# Altium PCB PCB-Tester-Relay-Board.PcbDoc (part 2 of 4)
Units mm, origin at the board's own origin, x right, y up, seen from the top; angles counter-clockwise.
Board outline 165 x 129 mm, 8 copper layers (Top Layer, Inner1, Inner2, Inner3, Inner4, Inner5, Inner6, Bottom Layer), stack 1.516 mm thick; 429 components, 373 nets, 1663 pads, 713 vias.
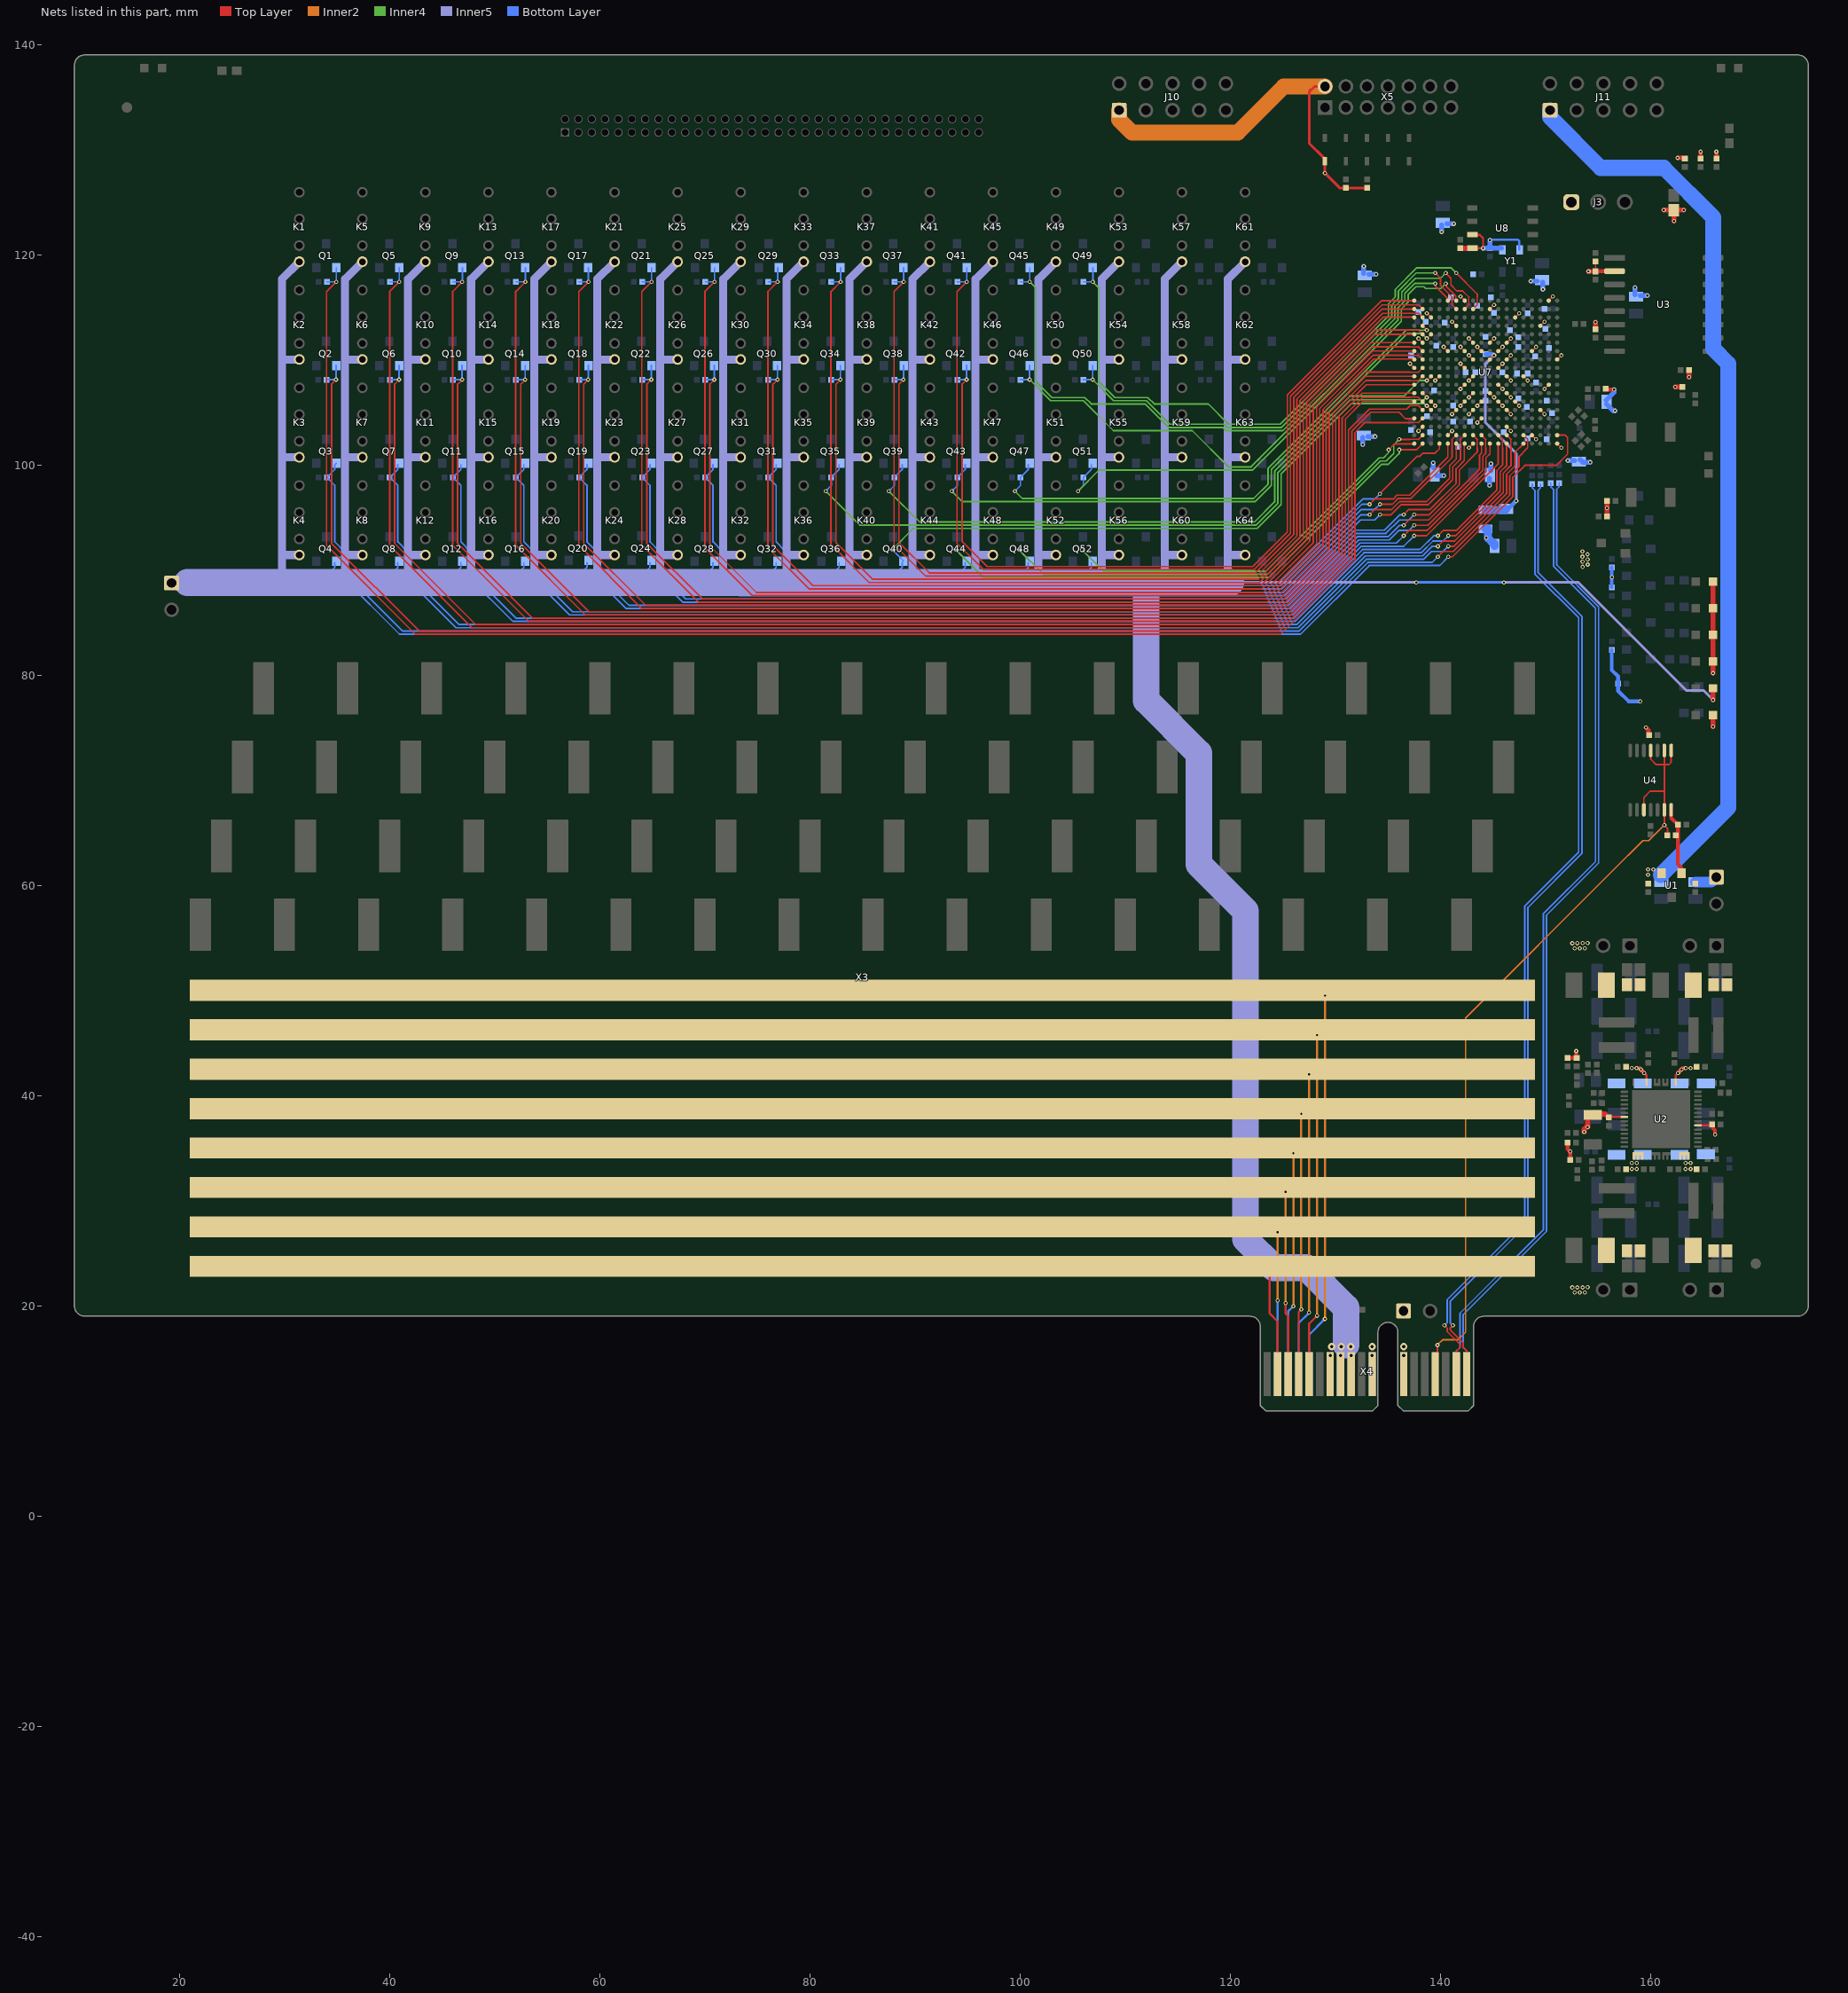
[diagram p8: the nets of this part, all layers, seen from the top]

## Part data
AOI1 AOI2 AOI3 AOI4 AOI5 AOI6: library part Fiducial, "Assembly AOI", 02. Distributor Part Number=N/A, 01. Distributor=N/A, 03. Unit Price=N/A, 04. Manufacturer=N/A, 05. Quantity=N/A, 06. Data Sheet=N/A, 07. Manufacturer  Part Number=N/A, 08. Inhouse Stock=N/A, 09. Operating Temperature=N/A, 10. Weight=N/A, 11. RoHS=N/A, 12.UL94 Flammability=N/A, 13. Created Date/Name=AUG2018/Hören, ComponentLink1Description=Info, ComponentLink2Description=Info
  AOI1 AOI2: Shape="Point Top"
  AOI3: Shape="Cross Top"
  AOI4 AOI5: Shape="Point Bottom"
  AOI6: Shape="Cross Bottom"
C1 C4 C28 C30: library part C_11, "CAP CER 2.2UF 10V X7R 0805", 02. Distributor Part Number=1276-1188-1-ND, 04. Manufacturer="Samsung Electro-Mechanics", 07. Manufacturer  Part Number=CL21B225KPFNNNE, 09. Operating Temperature="-55°C ~ 125°C", Package=0805, Tolerance=±10%, Voltage Rating=10V, 01. Distributor=DigiKey, 03. Unit Price=0.11, 11. RoHS=YES, ComponentLink1Description=Info, ComponentLink1URL=https://www.digikey.de/product-detail/en/kemet/C0805C225K8RACTU/399-3522-6-ND/1787578, ComponentLink2Description=DataSheet, ComponentLink2URL=https://content.kemet.com/datasheets/KEM_C1002_X7R_SMD.pdf, Type=X7R
C2 C3 C5 C8 C11 C18 C19 C22 C23 C32 C34 C37 C38 C43 C46 C49: "CAP CER 0.1UF 25V X7R 0402", 02. Distributor Part Number=311-2077-6-ND, 04. Manufacturer=Yageo, 07. Manufacturer  Part Number=CC0402KRX7R8BB104, 09. Operating Temperature="-55°C ~ 125°C", Package=0402, Tolerance=±10%, Voltage Rating=25V, 01. Distributor=DigiKey, 03. Unit Price=0.09, 11. RoHS=YES, 13. Created Date/Name=AUG2018/Hören, ComponentLink1Description=Info, ComponentLink1URL=https://www.digikey.de/products/en?keywords=311-2077-6-ND, ComponentLink2Description=DataSheet, Type=X7R
C6 C7 C16 C20 C21 C35 C36 C44 C45: "CAP CER 10UF 25V X7R 1206", 02. Distributor Part Number=445-7705-6-ND, 04. Manufacturer="TDK Corporation", 07. Manufacturer  Part Number=C3216X7R1E106K160AB, 09. Operating Temperature="-55°C ~ 125°C", Package=1206, Tolerance=±10%, Voltage Rating=25V, 01. Distributor=DigiKey, 03. Unit Price=0.66, 11. RoHS=YES, 13. Created Date/Name=AUG2018/Hören, ComponentLink1Description=Info, ComponentLink1URL=https://www.digikey.de/products/en?keywords=445-7705-6-ND, ComponentLink2Description=DataSheet, Type=X7R
C9 C10: "CAP CER 10UF 10V X7R 0805", 02. Distributor Part Number=1276-1764-6-ND, 04. Manufacturer="Samsung Electro-Mechanics", 07. Manufacturer  Part Number=CL21B106KPQNNNE, 09. Operating Temperature="-55°C ~ 125°C", Package=0805, Tolerance=±10%, Voltage Rating=10V, 01. Distributor=DigiKey, 03. Unit Price=0.24, 11. RoHS=YES, 13. Created Date/Name=AUG2018/Hören, ComponentLink1Description=Info, ComponentLink1URL=https://www.digikey.de/products/en?keywords=1276-1764-6-ND, ComponentLink2Description=DataSheet, Type=X7R
C12 C13 C14 C24 C25 C26 C39 C40 C41 C50 C51 C52: "CAP CER 47UF 10V X5R 1210", 02. Distributor Part Number=1276-3380-6-ND, 04. Manufacturer="Samsung Electro-Mechanics", 07. Manufacturer  Part Number=CL32A476MPJNNNE, 09. Operating Temperature="-55°C ~ 85°C", Package=1210, Tolerance=±20%, Voltage Rating=10V, 01. Distributor=DigiKey, 03. Unit Price=0.88, 11. RoHS=YES, 13. Created Date/Name=AUG2018/Hören, ComponentLink1Description=Info, ComponentLink2Description=DataSheet, Type=X5R
C15 C27 C42 C53: library part C+_TAN, "CAP TANT 47UF 20% 10V 1411", 02. Distributor Part Number=478-12531-1-ND, 04. Manufacturer="AVX Corporation", 07. Manufacturer  Part Number=F971A476MBAHT3, 01. Distributor=DigiKey, 03. Unit Price=0.73, 3D-Export=No, 11. RoHS=YES, ComponentLink1Description=Info, ComponentLink2Description=DataSheet
C17 C54 C55 C56: "CAP CER 0.1UF 25V X7R 0402", 02. Distributor Part Number=311-2077-6-ND, 04. Manufacturer=Yageo, 07. Manufacturer  Part Number=CC0402KRX7R8BB104, 09. Operating Temperature="-55°C ~ 125°C", Package=0402, Tolerance=±5%, Voltage Rating=16V, 01. Distributor=DigiKey, 03. Unit Price=0.09, 11. RoHS=YES, 13. Created Date/Name=AUG2018/Hören, ComponentLink1Description=Info, ComponentLink1URL=https://www.digikey.de/product-detail/en/kemet/C0402C104J4RACTU/399-7761-6-ND/3472292, ComponentLink2Description=DataSheet, ComponentLink2URL=https://content.kemet.com/datasheets/KEM_C1002_X7R_SMD.pdf, Type=X7R
C29 C31: library part C_7, "CAP CER 1000PF 25V X7R 0402", 02. Distributor Part Number=399-1031-6-ND, 04. Manufacturer=KEMET, 07. Manufacturer  Part Number=C0402C102K3RACTU, 09. Operating Temperature="-55°C ~ 125°C", Package=0402, Tolerance=±10%, Voltage Rating=25V, 01. Distributor=DigiKey, 03. Unit Price=0.09, 11. RoHS=YES, 13. Created Date/Name=AUG2018/Hören, ComponentLink1Description=Info, ComponentLink1URL=https://www.digikey.de/products/en?keywords=399-1031-6-ND, ComponentLink2Description=DataSheet, Type=X7R
C33: library part C_2, "CAP CER 1UF 6.3V X7R 0402", 02. Distributor Part Number=490-13339-6-ND, 04. Manufacturer="Murata Electronics", 07. Manufacturer  Part Number=GRM155R70J105KA12J, 09. Operating Temperature="-55°C ~ 125°C", Package=0402, Tolerance=±10%, Voltage Rating=6.3V, 01. Distributor=DigiKey, 03. Unit Price=0.11, 11. RoHS=YES, 13. Created Date/Name=AUG2018/Hören, ComponentLink1Description=Info, ComponentLink1URL=https://www.digikey.de/product-detail/en/murata-electronics/GRM155R70J105KA12J/490-13339-6-ND/5973468, ComponentLink2Description=DataSheet, Type=X7R
C47 C48: library part C_10, "CAP CER 0.01UF 25V X7R 0402", 02. Distributor Part Number=490-6043-6-ND, 04. Manufacturer="Murata Electronics", 07. Manufacturer  Part Number=GCM155R71E103KA37D, 09. Operating Temperature="-55°C ~ 125°C", Package=0402, Tolerance=±10%, Voltage Rating=25V, 01. Distributor=DigiKey, 03. Unit Price=0.09, 11. RoHS=YES, ComponentLink1Description=Info, ComponentLink1URL=https://www.digikey.de/product-detail/en/murata-electronics/GCM155R71E103KA37D/490-6043-6-ND/3846259, ComponentLink2Description=DataSheet, Type=X7R
C310 C316 C318 C436 C437 C444 C451 C456 C463: library part CAP, "CAP CER 47UF 10V X5R 0805", 02. Distributor Part Number=490-9961-6-ND, 04. Manufacturer="Murata Electronics North America", 07. Manufacturer  Part Number=GRM21BR61A476ME15L, 09. Operating Temperature="-55°C ~ 85°C", MFR=MURATA, MFR-PN=GRM32ER71A476KE15L, MFR-TYPE="GRM series", Tolerance=±20%, Voltage Rating=10V, 01. Distributor=DigiKey, 03. Unit Price=0.67, 3D-Export=No, 11. RoHS=YES, ComponentLink4Description=Info, ComponentLink4URL=https://www.digikey.de/product-detail/en/murata-electronics-north-america/GRM21BR61A476ME15L/490-9961-6-ND/5027050, ComponentLink5Description=DataSheet, ComponentLink5URL=https://search.murata.co.jp/Ceramy/image/img/A01X/G101/ENG/GRM21BR61A476ME15-01.pdf, Parameters="X7R, 10V, 10%", POPULATED=yes, Temperature Range="-55°C ~ 85°C", Type=X7R
C311 C312 C313 C430 C431 C438 C439 C445 C446 C452 C453 C457 C458 C464 C465 C470 C476 C477: library part CAP, "CAP CER 4.7UF 6.3V X5R 0402", 02. Distributor Part Number=1276-1481-6-ND, 04. Manufacturer="Samsung Electro-Mechanics", 07. Manufacturer  Part Number=CL05A475KQ5NRNC, 09. Operating Temperature="-55°C ~ 85°C", Temperature Range=-40°C/+85°C, Tolerance=10%, Voltage Rating=6V3, 01. Distributor=DigiKey, 03. Unit Price=0.28, 3D-Export=No, 11. RoHS=YES, ComponentLink4Description=DataSheet, ComponentLink4URL=https://media.digikey.com/pdf/Data%20Sheets/Samsung%20PDFs/CL_Series_MLCC_ds.pdf, ComponentLink5Description=Info, ComponentLink5URL=https://www.digikey.de/product-detail/en/samsung-electro-mechanics/CL05A475KQ5NRNC/1276-1481-6-ND/3891995, Parameters="X7R, 6V3, 10%", POPULATED=yes, Type=X7R
C314 C315 C317 C432 C433 C434 C435 C440 C441 C442 C443 C447 C448 C449 C450 C454 C455 C459 C460 C461 C462 C466 C467 C468 C469: library part CAP, "CAP CER 0.47UF 10V X5R 0402", 02. Distributor Part Number=1276-1173-6-ND, 04. Manufacturer="Samsung Electro-Mechanics", 07. Manufacturer  Part Number=CL05A474KP5NNNC, 09. Operating Temperature="-55°C ~ 85°C", Tolerance=10%, Voltage Rating=10V, 01. Distributor=DigiKey, 03. Unit Price=0.09, 3D-Export=No, 11. RoHS=YES, ComponentLink4Description=Info, ComponentLink4URL=https://www.digikey.de/product-detail/en/samsung-electro-mechanics/CL05A474KP5NNNC/1276-1173-6-ND/3891687, ComponentLink5Description=DataSheet, ComponentLink5URL=https://media.digikey.com/pdf/Data%20Sheets/Samsung%20PDFs/CL_Series_MLCC_ds.pdf, Parameters="X5R, 10V, 10%", POPULATED=yes, Temperature Range="-55°C ~ 85°C", Type=X5R
C471: library part CAP, "CAP CER 0.1UF 25V X7R 0402", 02. Distributor Part Number=311-2077-6-ND, 04. Manufacturer=Yageo, 07. Manufacturer  Part Number=CC0402KRX7R8BB104, 09. Operating Temperature="-55°C ~ 85°C", Temperature Range=-40°C/+85°C, Tolerance=10%, Voltage Rating=6V3, 01. Distributor=DigiKey, 03. Unit Price=0.09, 3D-Export=No, 11. RoHS=YES, ComponentLink4Description=DataSheet, ComponentLink4URL=https://media.digikey.com/pdf/Data%20Sheets/Samsung%20PDFs/CL_Series_MLCC_ds.pdf, ComponentLink5Description=Info, ComponentLink5URL=https://www.digikey.de/product-detail/en/samsung-electro-mechanics/CL05A475KQ5NRNC/1276-1481-6-ND/3891995, Parameters="X7R, 6V3, 10%", POPULATED=yes, Type=X7R
D1 D2 D3 D4 D5 D6 D12 D13 DONE: library part LED, "LED GREEN DIFFUSED 0603 SMD", 02. Distributor Part Number=475-2709-6-ND, 04. Manufacturer="OSRAM Opto Semiconductors Inc.", 07. Manufacturer  Part Number="LG L29K-G2J1-24-Z", Color=GREEN, 01. Distributor=DigiKey, 03. Unit Price=0.4, 11. RoHS=YES, 13. Created Date/Name=AUG2018/Hören, ComponentLink1Description=Info, ComponentLink1URL=https://www.digikey.de/products/en?keywords=475-2709-6-ND, ComponentLink2Description=DataSheet, ComponentLink2URL=https://www.digikey.de/products/en?keywords=475-2709-6-ND, If=2mA, Vf=1.7V, Viewing Angle=160°, Wave Length=570nm
  D3: NicName=DNM
D7 D8 D9 D10 D11: library part UCLAMP3301D.TCT, "TVS DIODE 3.3V 9.5V SOD323", 02. Distributor Part Number=UCLAMP3301DCT-ND, 04. Manufacturer="Semtech Corporation", 01. Distributor=DigiKey, 03. Unit Price=0.67, 07. Manufacturer  Part Number=UCLAMP3301D.TCT, 11. RoHS=YES, ComponentLink1Description=Info, ComponentLink1URL=https://www.digikey.de/product-detail/en/nexperia-usa-inc/PMEG4050EP115/1727-5842-6-ND/2697559, ComponentLink2Description=DataSheet, ComponentLink2URL=https://assets.nexperia.com/documents/data-sheet/PMEG4050EP.pdf
J1 J2 J4 J5 J6 J7 J8 J9 J12: library part "Jumper SMD", "RES SMD 0 OHM JUMPER 1/10W 0603", 02. Distributor Part Number=311-0.0GRDKR-ND, 04. Manufacturer=Yageo, 07. Manufacturer  Part Number=RC0603JR-070RL, 09. Operating Temperature="-55°C ~ 155°C", Package=0603, 01. Distributor=DigiKey, 03. Unit Price=0.09, 11. RoHS=YES, ComponentLink4Description=Info, ComponentLink4URL=https://www.digikey.de/product-detail/en/yageo/RC0603JR-070RL/311-0.0GRDKR-ND/732569, ComponentLink5Description=DataSheet, ComponentLink5URL=http://www.yageo.com/documents/recent/PYu-RC_Group_51_RoHS_L_10.pdf
  J1 J2 J4 J5 J6 J7 J8 J9: POPULATED=MNT
J3: library part "Header 3Pins 100mil", "CONN HEADER VERT 3POS 2.54MM", 02. Distributor Part Number=HMTSW-103-07-G-S-240, 04. Manufacturer="Samtec Inc.", 01. Distributor="Samtec Inc.", 03. Unit Price=0.25, 07. Manufacturer  Part Number=HMTSW-103-07-G-S-240, 11. RoHS=YES, 13. Created Date/Name=AUG2018/Hören, ComponentLink1Description=Info, ComponentLink1URL=https://www.samtec.com/products/hmtsw-103-07-g-s-240, ComponentLink2Description=DataSheet, ComponentLink2URL=http://suddendocs.samtec.com/catalog_english/hmtsw.pdf
J10: library part "Header 5x2Pins 100mil", 02. Distributor Part Number=HMTSW-103-07-G-S-240, 04. Manufacturer="Samtec Inc.", 01. Distributor="Samtec Inc.", 03. Unit Price=0.25, 07. Manufacturer  Part Number=HMTSW-103-07-G-S-240, 11. RoHS=YES, 13. Created Date/Name=AUG2018/Hören, ComponentLink1Description=Info, ComponentLink1URL=https://www.samtec.com/products/hmtsw-103-07-g-s-240, ComponentLink2Description=DataSheet, ComponentLink2URL=http://suddendocs.samtec.com/catalog_english/hmtsw.pdf, NicName=DNM
J11: library part "Header 5x2Pins 100mil", ".100\" High-Temp Variable Post Height Terminal Strip", 02. Distributor Part Number=HMTSW-105-07-G-D-240, 04. Manufacturer="Samtec Inc.", 01. Distributor="Samtec Inc.", 03. Unit Price=0.843, 07. Manufacturer  Part Number=HMTSW-105-07-G-D-240, 11. RoHS=YES, 13. Created Date/Name=AUG2018/Hören, ComponentLink1Description=Info, ComponentLink1URL=https://www.samtec.com/products/hmtsw-103-07-g-s-240, ComponentLink2Description=DataSheet, ComponentLink2URL=http://suddendocs.samtec.com/catalog_english/hmtsw.pdf
K1 K2 K3 K4 K5 K6 K7 K8 K9 K10 K11 K12 K13 K14 K15 K16 K17 K18 K19 K20 K21 K22 K23 K24 K25 K26 K27 K28 K29 K30 K31 K32 K33 K34 K35 K36 K37 K38 K39 K40 K41 K42 K43 K44 K45 K46 K47 K48 K49 K50 K51 K52 K53 K54 K55 K56 K57 K58 K59 K60 K61 K62 K63 K64: library part 118-1-A-5/2D, "5V Signal Relais, Normal Open", 04. Manufacturer=Pickering, 09. Operating Temperature="-20°C ~ +85°C", Coil Resistance="1500 Ohm", Coil Voltage=5V, Max Carry Current="1.2 A", Max Switch Current=1A, Max Switch Voltage=200V, Power Rating=15W, 01. Distributor=Pickering, 02. Distributor Part Number=118-1-A-5/2D, 03. Unit Price=2.60, 05. Quantity=1000, 06. Data Sheet=Pickering_series_118.pdf, 07. Manufacturer  Part Number=118-1-A-5/2D, 11. RoHS=2011/65/EU, 13. Created Date/Name="20.12.17 S. Kaiser", ComponentLink1Description=Info, ComponentLink1URL=http://www.pickeringrelay.com/, ComponentLink2Description=DataSheet, ComponentLink2URL=https://www.pickeringrelay.com/products/single-line-sil-series-111-119/single-line-sil-series-118/
L1: library part FB, "FERRITE BEAD 600 OHM 0805 1LN", 02. Distributor Part Number=732-1620-6-ND, 04. Manufacturer="Würth Elektronik", 07. Manufacturer  Part Number=742792040, 09. Operating Temperature="-55°C ~ 125°C", Impedance Tolerance=%, Package=0805, 01. Distributor=DigiKey, 03. Unit Price=0.22, 11. RoHS=YES, 13. Created Date/Name=AUG2018/Hören, ComponentLink1Description=Info, ComponentLink1URL=https://www.digikey.de/products/en?keywords=732-1620-6-ND, ComponentLink2Description=DataSheet, ComponentLink2URL=https://www.we-online.de/katalog/datasheet/742792040.pdf, DCR=150mΩ, IRMS=2A, Nominal Impedance="600Ω @ 100MHz"
L2 L3 L4 L5: library part INDUCTOR, "Fixed Inductors 3.3uH Shld 20% 6.6A 28.6mOhms AECQ2", 02. Distributor Part Number=994-XAL4030-332MEC, 04. Manufacturer=Coilcraft, 07. Manufacturer  Part Number=XAL4030-332MEC, Impedance Tolerance=%, Inductance=3u3, 01. Distributor=Mouser, 03. Unit Price=1.95, 11. RoHS=YES, ComponentLink1Description=Info, ComponentLink1URL=https://www.digikey.de/products/en?keywords=732-1620-6-ND, ComponentLink2Description=DataSheet, ComponentLink2URL=https://www.we-online.de/katalog/datasheet/742792040.pdf
PROG: library part PUSH_BTN, "Tactile Switches 5.2x5.2x1.5mm 160gf", 02. Distributor Part Number=688-SKQGAB, 04. Manufacturer=Alps, 01. Distributor=Mouser, 03. Unit Price=0.497, 07. Manufacturer  Part Number=SKQGABE010, 11. RoHS=YES, ComponentLink1Description=Info, ComponentLink2Description=DataSheet
Q1 Q2 Q3 Q4 Q5 Q6 Q7 Q8 Q9 Q10 Q11 Q12 Q13 Q14 Q15 Q16 Q17 Q18 Q19 Q20 Q21 Q22 Q23 Q24 Q25 Q26 Q27 Q28 Q29 Q30 Q31 Q32 Q33 Q34 Q35 Q36 Q37 Q38 Q39 Q40 Q41 Q42 Q43 Q44 Q45 Q46 Q47 Q48 Q49 Q50 Q51 Q52 Q53 Q54 Q55 Q56 Q57 Q58 Q59 Q60 Q61 Q62 Q63 Q64 Q65 Q66 Q67 Q68 Q69 Q70: library part FDV303N, "MOSFET N-CH 25V 680MA SOT-23", 02. Distributor Part Number=FDV303NDKR-ND, 04. Manufacturer="ON Semiconductor", 09. Operating Temperature="-55°C ~ 150°C (TJ)", Power Rating=350mW, 01. Distributor=DigiKey, 03. Unit Price=0.41, 3D-Export=No, 07. Manufacturer  Part Number=FDV303N, 11. RoHS=YES, 13. Created Date/Name="AUG 2018 / Hören", ComponentLink1Description=Info, ComponentLink1URL=https://www.digikey.de/product-detail/en/on-semiconductor/FDV303N/FDV303NDKR-ND/1630434, ComponentLink2Description=DataSheet, ComponentLink2URL=https://media.digikey.com/pdf/Data%20Sheets/Fairchild%20PDFs/FDV303N.pdf, Id=680mA, Rds On="450 mΩ @ id=500mA & Vgs=4.5V", Vdss=25V, Vgs,th="1.5V @ 250uA"
  Q67: NicName=DNM
R1 R2 R3 R4 R5 R6 R7 R8 R9 R10 R11 R12 R13 R14 R15 R16 R17 R18 R19 R20 R21 R22 R23 R24 R25 R26 R27 R28 R29 R30 R31 R32 R33 R34 R35 R36 R37 R38 R39 R40 R41 R42 R48 R49 R50 R51 R52 R53 R54 R55 R56 R57 R58 R59 R60 R61 R62 R63 R64 R65 R66 R67 R68 R69 R105 R107 R111 R112 R113 R114 R115 R122 R123 R124 R129 R130: "RES SMD 4.7K OHM 1% 1/16W 0402", 02. Distributor Part Number=311-4.7KLRDKR-ND, 04. Manufacturer=Yageo, 07. Manufacturer  Part Number=RC0402FR-074K7L, 09. Operating Temperature="-55°C ~ 155°C", Package=0402, Power Rating=63mW, Tolerance=±1%, 01. Distributor=DigiKey, 03. Unit Price=0.09, 11. RoHS=YES, 13. Created Date/Name=AUG2018/Hören, ComponentLink1Description=Info, ComponentLink1URL=https://www.digikey.de/products/en?keywords=311-4.7KLRDKR-ND, ComponentLink2Description=DataSheet, Type="Thick Film"
R43 R44 R71 R102: "RES SMD 33 OHM 1% 1/16W 0402", 02. Distributor Part Number=311-33.0LRDKR-ND, 04. Manufacturer=Yageo, 07. Manufacturer  Part Number=RC0402FR-0733RL, 09. Operating Temperature="-55°C ~ 155°C", Package=0402, Power Rating=63mW, Tolerance=±1%, 01. Distributor=DigiKey, 03. Unit Price=0.09, 11. RoHS=YES, 13. Created Date/Name=AUG2018/Hören, ComponentLink1Description=Info, ComponentLink2Description=DataSheet, Type="Thick Film"
  R43 R102: ComponentLink1URL=https://www.digikey.de/products/en?keywords=311-33.0LRDKR-ND
  R44 R71: ComponentLink1URL=https://www.digikey.de/products/en?keywords=311-10.0KLRDKR-ND
R45 R46 R47 R70 R73 R74 R75 R76 R77 R78 R79 R80 R81 R82 R83 R84 R86 R87 R88 R89 R90 R128: "RES SMD 10K OHM 1% 1/16W 0402", 02. Distributor Part Number=311-10.0KLRDKR-ND, 04. Manufacturer=Yageo, 07. Manufacturer  Part Number=RC0402FR-0710KL, 09. Operating Temperature="-55°C ~ 155°C", Package=0402, Power Rating=63mW, Tolerance=±1%, 01. Distributor=DigiKey, 03. Unit Price=0.09, 11. RoHS=YES, 13. Created Date/Name=AUG2018/Hören, ComponentLink1Description=Info, ComponentLink1URL=https://www.digikey.de/products/en?keywords=311-10.0KLRDKR-ND, ComponentLink2Description=DataSheet, Type="Thick Film"
R72: library part R_24, "RES SMD 2.2 OHM 1% 1/10W 0402", 02. Distributor Part Number=311-2.20LRTR-ND, 04. Manufacturer=Yageo, 07. Manufacturer  Part Number=RC0402FR-072R2L, Package=0402, Power Rating=0.1W, Tolerance=±1%, 01. Distributor=DigiKey, 03. Unit Price=0.09, 11. RoHS=YES, ComponentLink1Description=Info, ComponentLink1URL=https://www.digikey.de/product-detail/en/panasonic-electronic-components/ERJ-2RKF15R0X/P15.0LDKR-ND/575530, ComponentLink2Description=DataSheet, ComponentLink2URL=https://industrial.panasonic.com/cdbs/www-data/pdf/RDA0000/AOA0000C304.pdf
R85 R91: "RES SMD 1K OHM 1% 1/16W 0402", 02. Distributor Part Number=YAG1254CT-ND, 04. Manufacturer=Yageo, 07. Manufacturer  Part Number=RC0402FR-071KP, 09. Operating Temperature="-55°C ~ 155°C", Package=0402, Power Rating=63mW, Tolerance=±1%, 01. Distributor=DigiKey, 03. Unit Price=0.09, 11. RoHS=YES, 13. Created Date/Name=AUG2018/Hören, ComponentLink1Description=Info, ComponentLink1URL=https://www.digikey.de/products/en?keywords=311-10.0KLRDKR-ND, ComponentLink2Description=DataSheet, Type="Thick Film"
R92 R93 R95 R103 R104 R126: "RES SMD 1.8K OHM 1% 1/16W 0402", 02. Distributor Part Number=311-1.80KLRCT-ND, 04. Manufacturer=Yageo, 07. Manufacturer  Part Number=RC0402FR-071K8L, 09. Operating Temperature="-55°C ~ 155°C", Package=0402, Power Rating=63mW, Tolerance=±1%, 01. Distributor=DigiKey, 03. Unit Price=0.09, 11. RoHS=YES, 13. Created Date/Name=AUG2018/Hören, ComponentLink1Description=Info, ComponentLink1URL=https://www.digikey.de/product-detail/en/yageo/RC0402FR-071K65L/YAG3043DKR-ND/5282914, ComponentLink2Description=DataSheet, Type="Thick Film"
R94: "RES SMD 1.65K OHM 1% 1/16W 0402", 02. Distributor Part Number=YAG3043DKR-ND, 04. Manufacturer=Yageo, 07. Manufacturer  Part Number=RC0402FR-071K65L, 09. Operating Temperature="-55°C ~ 155°C", Package=0402, Power Rating=63mW, Tolerance=±1%, 01. Distributor=DigiKey, 03. Unit Price=0.09, 11. RoHS=YES, 13. Created Date/Name=AUG2018/Hören, ComponentLink1Description=Info, ComponentLink1URL=https://www.digikey.de/product-detail/en/yageo/RC0402FR-071K65L/YAG3043DKR-ND/5282914, ComponentLink2Description=DataSheet, Type="Thick Film"
R96 R97 R98 R99 R100 R101 R108 R116: library part R_19, "RES SMD 33 OHM 1% 1/16W 0402", 02. Distributor Part Number=311-33.0LRDKR-ND, 04. Manufacturer=Yageo, 07. Manufacturer  Part Number=RC0402FR-0733RL, 09. Operating Temperature="-55°C ~ 155°C", Package=0402, Power Rating=63mW, Tolerance=±1%, 01. Distributor=DigiKey, 03. Unit Price=0.09, 11. RoHS=YES, 13. Created Date/Name=AUG2018/Hören, ComponentLink1Description=Info, ComponentLink1URL=https://www.digikey.de/products/en?keywords=311-33.0LRDKR-ND, ComponentLink2Description=DataSheet, Type="Thick Film"
R106 R109 R110: "RES SMD 330 OHM 1% 1/16W 0402", 02. Distributor Part Number=311-330LRDKR-ND, 04. Manufacturer=Yageo, 07. Manufacturer  Part Number=RC0402FR-07330RL, 09. Operating Temperature="-55°C ~ 155°C", Package=0402, Power Rating=63mW, Tolerance=±1%, 01. Distributor=DigiKey, 03. Unit Price=0.09, 11. RoHS=YES, 13. Created Date/Name=AUG2018/Hören, ComponentLink1Description=Info, ComponentLink1URL=https://www.digikey.de/products/en?keywords=311-330LRDKR-ND, ComponentLink2Description=DataSheet, Type="Thick Film"
R117 R118 R119 R120 R127: "RES SMD 1K OHM 1% 1/16W 0402", 02. Distributor Part Number=YAG1254CT-ND, 04. Manufacturer=Yageo, 07. Manufacturer  Part Number=RC0402FR-071KP, 09. Operating Temperature=-xx..+yy°C, Tolerance=±1%, 01. Distributor=DigiKey, 03. Unit Price=0.09, 11. RoHS=???, 13. Created Date/Name=AUG2018/Hören, ComponentLink1Description=Info, ComponentLink2Description=DataSheet
R121: "RES SMD 10K OHM 1% 1/16W 0402", 02. Distributor Part Number=311-10.0KLRDKR-ND, 04. Manufacturer=Yageo, 07. Manufacturer  Part Number=RC0402FR-0710KL, 09. Operating Temperature=-xx..+yy°C, Tolerance=±1%, 01. Distributor=DigiKey, 03. Unit Price=0.09, 11. RoHS=???, 13. Created Date/Name=AUG2018/Hören, ComponentLink1Description=Info, ComponentLink2Description=DataSheet
R125: "RES SMD 3.6K OHM 1% 1/10W 0603", 02. Distributor Part Number=311-3.60KHRCT-ND, 04. Manufacturer=Yageo, 07. Manufacturer  Part Number=RC0603FR-073K6L, 09. Operating Temperature="-55°C ~ 155°C", Package=0402, Power Rating=63mW, Tolerance=±1%, 01. Distributor=DigiKey, 03. Unit Price=0.09, 11. RoHS=YES, 13. Created Date/Name=AUG2018/Hören, ComponentLink1Description=Info, ComponentLink1URL=https://www.digikey.de/product-detail/en/yageo/RC0402FR-071K65L/YAG3043DKR-ND/5282914, ComponentLink2Description=DataSheet, Type="Thick Film"
TP1 TP2 TP3 TP4 TP5 TP6 TP7: library part "DualTestpoint 100mils", "Dual testpoint, pitch 2.54mm", 02. Distributor Part Number=HMTSW-103-07-G-S-240, 04. Manufacturer="Samtec Inc.", 01. Distributor="Samtec Inc.", 03. Unit Price=0.25, 07. Manufacturer  Part Number=HMTSW-103-07-G-S-240, 11. RoHS=YES, 13. Created Date/Name=AUG2018/Hören, ComponentLink1Description=Info, ComponentLink1URL=https://www.samtec.com/products/hmtsw-103-07-g-s-240, ComponentLink2Description=DataSheet, ComponentLink2URL=http://suddendocs.samtec.com/catalog_english/hmtsw.pdf
U1: library part ZMR330FTA, "IC REG LINEAR 3.3V 50MA SOT23-3", 02. Distributor Part Number=ZMR330FTR-ND, 04. Manufacturer="Diodes Incorporated", 01. Distributor=DigiKey, 03. Unit Price=0.83, 07. Manufacturer  Part Number=ZMR330FTA, 11. RoHS=YES, ComponentLink1Description=Info, ComponentLink1URL=https://www.digikey.de/product-detail/en/diodes-incorporated/ZMR330FTA/ZMR330FCT-ND/790216, ComponentLink2Description=DataSheet, ComponentLink2URL=https://www.diodes.com/assets/Datasheets/ZMRSERIES.pdf
U2: "POL - SUPIRBUCK", 02. Distributor Part Number=IRPS5401MTRPBFCT-ND, 04. Manufacturer="Infineon Technologies", 07. Manufacturer  Part Number=IRPS5401MTRPBF, 01. Distributor=DigiKey, 03. Unit Price=6.99, 11. RoHS=YES, ComponentLink4Description=Info, ComponentLink4URL=https://www.digikey.de/products/en?keywords=XC7A15T-1CSG324C, ComponentLink5Description=DataSheet, ComponentLink5URL=https://www.xilinx.com/support/documentation/data_sheets/ds181_Artix_7_Data_Sheet.pdf, ComponentLink6Description=NXP, ComponentLink6URL=https://www.nxp.com/part/MK20DN512VMD10, MFR="Infineon Technologies", MFR-PN=IRPS5401MTRPBF, NicName=IRPS5401M
U3: library part S25FL128SAGMFI000, "IC FLASH 128M SPI 133MHZ 16SOIC", 02. Distributor Part Number=1274-1000-ND, 04. Manufacturer="Cypress Semiconductor Corp", 01. Distributor=Digikey, 03. Unit Price=2.77, 07. Manufacturer  Part Number="IC FLASH 128M SPI 133MHZ 16SOIC", ComponentLink2Description=DataSheet, NickName=S25FL128SAGMFI000
U4: library part 74LCX125, "IC BUF NON-INVERT 3.6V 14TSSOP", 02. Distributor Part Number=497-13204-2-ND, 04. Manufacturer=STMicroelectronics, 07. Manufacturer  Part Number=74LCX125YTTR, Package=TSSOP14, 01. Distributor=DigiKey, 03. Unit Price=0.51, 11. RoHS=YES, ComponentLink1Description=Info, ComponentLink2Description=DataSheet
U7: library part XC7A15T-CS324, "XC7A15T-1CSG324C", 04. Manufacturer=XILINX, 09. Operating Temperature="0°C ~ 85°C (TJ)", 01. Distributor=Avnet, 02. Distributor Part Number=XC7A15T-1CSG324C, 03. Unit Price=20.65, 07. Manufacturer  Part Number=XC7A15T-1CSG324C, 11. RoHS=YES, ComponentLink4Description=Info, ComponentLink4URL=https://www.digikey.de/products/en?keywords=XC7A15T-1CSG324C, ComponentLink5Description=DataSheet, ComponentLink5URL=https://www.xilinx.com/support/documentation/data_sheets/ds181_Artix_7_Data_Sheet.pdf, ComponentLink6Description=NXP, ComponentLink6URL=https://www.nxp.com/part/MK20DN512VMD10, MFR=XILINX, MFR-PN=XC7A15T-CS324, NicName=XC7A15T, POPULATED=yes
U8: library part MX25R3235FM1IH0, "IC FLASH 32M SPI 80MHZ 8SOP", 02. Distributor Part Number=1092-1175-ND, 04. Manufacturer=Macronix, 01. Distributor=DigiKey, 03. Unit Price=0.79, 07. Manufacturer  Part Number=MX25R3235FM1IH0, 13. Created Date/Name="AUG 2018 / Hören", ComponentLink1Description=Info, ComponentLink1URL=https://www.digikey.de/product-detail/en/macronix/MX25R3235FM1IH0/1092-1175-ND/5957736, ComponentLink2Description=DataSheet, ComponentLink2URL=https://www.macronix.com/Lists/Datasheet/Attachments/7534/MX25R3235F%2c%20Wide%20Range%2c%2032Mb%2c%20v1.6.pdf
X2: library part TFC-132-01-F-D-RA, "CONN HEADER TH RA 48POS 1.27MM", 04. Manufacturer="Samtec Inc.", 01. Distributor="Samtec Inc.", 02. Distributor Part Number=TFC-132-01-F-D-RA, 03. Unit Price=5, 07. Manufacturer  Part Number=TFC-132-01-F-D-RA, 11. RoHS=YES, 13. Created Date/Name="??? / Hören", ComponentLink1Description=Info, ComponentLink1URL=https://www.samtec.com/products/tfc-124-01-f-d-ra, ComponentLink2Description=DataSheet, System=Connector
X3: library part CONFIG64, "PCB Tester Configuration Matrix for 48 Relays over 8 ABUSes", 13. Created Date/Name="??? / Hören", ComponentLink1Description=Info, ComponentLink2Description=DataSheet
X4: library part PCIE-036-02-F-D-Fingers, "CONN PCI Card Edge 36POS", ComponentLink1Description=Info, ComponentLink2Description=DataSheet, ComponentLink2URL=http://suddendocs.samtec.com/catalog_english/pcie.pdf, System=Connector
X5: library part LTMM-107-02-F-D, "CONN HEADER VERT 14POS 2MM", 02. Distributor Part Number=LTMM-107-02-F-D-ND, 04. Manufacturer="Samtec Inc.", 01. Distributor=DigiKey, 03. Unit Price=2.38, 07. Manufacturer  Part Number=LTMM-107-02-F-D, 11. RoHS=YES, 13. Created Date/Name="??? / Hören", ComponentLink1Description=Info, ComponentLink1URL=https://www.digikey.de/product-detail/en/samtec-inc/LTMM-107-02-F-D/LTMM-107-02-F-D-ND/8723899, ComponentLink2Description=DataSheet, ComponentLink2URL=https://www.samtec.com/products/ltmm, NickName=JTAG, System=Connector
Y1: library part ASE-25.000MHZ-LC-T, "XTAL OSC XO 25.0000MHZ CMOS SMD", 02. Distributor Part Number=535-9568-1-ND, 04. Manufacturer="Abracon LLC", Frequency=25MHz, Package=4SMD, 01. Distributor=DigiKey, 03. Unit Price=1.46, 07. Manufacturer  Part Number=ASE-25.000MHZ-LC-T, 11. RoHS=YES, 13. Created Date/Name="AUG 2018 / Hören", ComponentLink1Description=Info, ComponentLink1URL=https://www.digikey.de/products/en?keywords=535-9568-1-ND, ComponentLink2Description=DataSheet

## Via types
v1: diameter 0.4, hole 0.2, Top Layer to Bottom Layer, 631 vias
v2: diameter 0.7, hole 0.3, Top Layer to Bottom Layer, 82 vias

## Nets (pads, with @x,y where several pads share a name; then routed paths per layer and width w, separated by ;. In a path a pad name is that pad's centre, name@x,y a point inside that pad or via, vN(x,y) a via of type N, cw(c..) or ccw(c..) an arc to the next point about the centre after c; other vN are vias at no path point)
1V0: C15.1 C310.1 C311.1 C312.1 C313.1 C314.1 C315.1 C316.1 C317.1 C476.1 C477.1 J1.2 J2.2 U7.F8 U7.F10 U7.G7 U7.G9 U7.G11 U7.H8 U7.J7 U7.J11 U7.K8 U7.L7 U7.L11 U7.M8 U7.M10 U7.N7 U7.N9 U7.N11 | length 11.5
  Top Layer w0.152: v1(141.9,105.621) U7.N7@142.3,106.021 ; v1(141.9,107.221) U7.L7@142.3,107.621 ; v1(141.9,109.621) U7.J7@142.3,109.221 ; v1(141.9,111.221) U7.G7@142.3,110.821 ; v1(142.7,106.421) U7.M8@143.1,106.821 ; v1(142.7,108.021) U7.K8@143.1,108.421 ; v1(142.7,110.421) U7.H8@143.1,110.021 ; v1(142.7,112.021) U7.F8@143.1,111.621 ; v1(143.5,105.621) U7.N9@143.9,106.021 ; v1(143.5,111.221) U7.G9@143.9,110.821 ; U7.M10@144.7,106.821 v1(145.1,106.421) ; U7.F10@144.7,111.621 v1(145.1,112.021) ; U7.N11@145.5,106.021 v1(145.9,105.621) ; U7.L11@145.5,107.621 v1(145.9,107.221) ; U7.J11@145.5,109.221 v1(145.9,109.621) ; U7.G11@145.5,110.821 v1(145.9,111.221)
  Bottom Layer w0.457: C310.1@139.296,99.73 v1(139.296,100.181) ; C310.1@139.654,98.973 v1(140.318,98.973) ; v1(148.581,117.471) C316.1@149.245,117.471 ; v1(149.745,116.707) C316.1@149.745,117.371
  other v1: 152.764,53.995 153.25,54 153.736,54.005 152.543,54.484 153.029,54.489 153.514,54.495 154,54.5
1V8: C9.1 C27.1 C318.1 C430.1 C431.1 C432.1 C433.1 C434.1 C435.1 J4.2 J5.2 L1.1 U7.F12 U7.H12 U7.K12 U7.M12 | length 6.2
  Top Layer w0.152: U7.M12@146.3,106.821 v1(146.7,106.421) ; U7.K12@146.3,108.421 v1(146.7,108.021) ; U7.H12@146.3,110.021 v1(146.7,110.421) ; U7.F12@146.3,111.621 v1(146.7,112.021)
  Bottom Layer w0.457: v1(152.114,100.404) C318.1@152.777,100.404 ; C318.1@153.277,100.504 153.531,100.25 v1(154.25,100.25)
  Bottom Layer w0.762: L1.1@144.277,93.917 144.503,93.917 144.522,93.898 144.522,93.02 144.968,92.573 145.058,92.573 145.152,92.479 C9.1@145.152,92.279
  other v1: 153.516,90.293 154.005,90.514 153.511,90.779 154,91 153.505,91.264 153.995,91.486 153.5,91.75 144.362,93.063
1V8A: C10.1 C471.1 L1.2 U7.H10 | length 20.1
  Top Layer w0.152: U7.H10@144.7,110.021 v1(145.1,110.421)
  Inner5 w0.254: v1(145.1,110.421) 144.284,109.605 144.284,104.007 147.211,101.079 v1(147.211,96.561)
  Bottom Layer w0.406: C471.1@144.3,110.521 145,110.521 v1(145.1,110.421) ; C10.1@146.25,95.8 146.45,95.8 v1(147.211,96.561)
  Bottom Layer w0.762: L1.2@144.277,95.717 146.167,95.717 C10.1@146.25,95.8
2V5: C42.1 J6.2 J7.2
3V3: C17.1 C53.1 C54.2 C55.1 C436.1 C437.1 C438.1 C439.1 C440.1 C441.1 C442.1 C443.1 C444.1 C445.1 C446.1 C447.1 C448.1 C449.1 C450.1 C451.1 C452.1 C453.1 C454.1 C455.1 C456.1 C457.1 C458.1 C459.1 C460.1 C461.1 C462.1 C463.1 C464.1 C465.1 C466.1 C467.1 C468.1 C469.1 D10.2 J3.1 J8.2 J9.2 J10.1 R105.2 R106.2 R107.2 R109.2 R111.2 R112.2 R113.2 R114.2 R115.2 R122.2 R128.1 U3.2 U7.A7 U7.A17 U7.B10 U7.C3 U7.C13 U7.D6 U7.D16 U7.F2 U7.G5 U7.G15 U7.H18 U7.J1 U7.K4 U7.K14 U7.L17 U7.N3 U7.N13 U7.P6 U7.P8 U7.P12 U7.P16 U7.R9 U7.T2 U7.T12 U7.U5 U7.U15 U7.V8 U7.V18 U8.7 U8.8 X5.2 Y1.1 Y1.4 | length 81
  Top Layer w0.152: v1(137.1,109.621) U7.J1@137.5,109.221 ; v1(137.9,103.221) U7.T2@138.3,103.621 ; v1(137.9,112.021) U7.F2@138.3,111.621 ; v1(138.7,114.421) U7.C3@139.1,114.021 ; U7.N3@139.1,106.021 v1(139.5,105.621) ; v1(139.5,108.021) U7.K4@139.9,108.421 ; v1(140.3,111.221) U7.G5@140.7,110.821 ; U7.U5@140.7,102.821 v1(141.1,103.221) ; v1(141.1,104.821) U7.P6@141.5,105.221 ; v1(141.1,113.621) U7.D6@141.5,113.221 ; v1(141.9,116.021) U7.A7@142.3,115.621 ; v1(142.7,101.621) U7.V8@143.1,102.021 ; v1(142.7,104.821) U7.P8@143.1,105.221 ; v1(143.5,104.021) U7.R9@143.9,104.421 ; U7.B10@144.7,114.821 v1(145.1,115.221) ; U7.T12@146.3,103.621 v1(146.7,103.221) ; U7.P12@146.3,105.221 v1(146.7,104.821) ; U7.N13@147.1,106.021 v1(147.5,105.621) ; U7.C13@147.1,114.021 v1(147.5,114.421) ; U7.K14@147.9,108.421 v1(148.3,108.021) ; U7.U15@148.7,102.821 v1(149.1,102.421) ; U7.G15@148.7,110.821 v1(149.1,111.221) ; U7.P16@149.5,105.221 v1(149.9,104.821) ; U7.D16@149.5,113.221 v1(149.9,113.621) ; v1(149.9,107.221) U7.L17@150.3,107.621 ; U7.A17@150.3,115.621 v1(150.7,116.021) ; U7.V18@151.1,102.021 v1(151.5,101.621) ; U7.H18@151.1,110.021 v1(151.5,110.421) ; C55.1@154.75,118.4 R113.2@154.75,119.35
  Top Layer w0.203: U8.7@143.048,121.867 143.74,121.867 144.053,121.554 v1(144.053,120.604) U8.8@143.052,120.604
  Top Layer w0.254: X5.2@129,136 128,136 127.5,135.5 127.5,130.6 128.927,129.173 128.927,128.973 D10.2@129,128.9 v1(129,127.75) 130.4,126.35 R111.2@131,126.35 R112.2@133,126.35
  Top Layer w0.381: C55.1@154.75,118.4 154.775,118.425 U3.2@156.565,118.425 ; R109.2@155.702,107.221 155.758,107.165 v1(156.513,107.165)
  Top Layer w0.406: v1(159.55,75) 159.778,74.772 159.778,74.322 R122.2@159.8,74.3
  Top Layer w0.457: v1(154.086,118.4) C55.1@154.75,118.4 ; R115.2@154.75,112.9 v1(154.75,113.564) ; R128.1@155.85,95.1 v1(155.85,95.886) R107.2@155.85,96.55 ; v1(162.336,107.4) R106.2@163,107.4 ; v1(163.65,108.336) R114.2@163.65,109
  Top Layer w0.508: C54.2@141.897,120.613 U8.8@143.027,120.613
  Inner2 w1.524: J10.1@109.42,133.73 109.42,132.83 110.633,131.617 120.702,131.617 125.085,136 X5.2@129,136
  Bottom Layer w0.203: v1@144.75,121.4 147.376,121.4 147.495,121.281 Y1.1@147.495,120.501
  Bottom Layer w0.457: v1(132.604,101.934) C456.1@132.604,102.598 ; C463.1@132.7,118.221 v1(132.7,118.884) ; C456.1@133.104,102.698 v1(133.768,102.698) ; C463.1@133.2,118.121 v1(133.863,118.121) ; v1(140.1,122.157) C451.1@140.1,122.821 ; C451.1@140.6,122.921 v1(141.263,122.921) ; v1(144.053,120.604) C17.1@144.717,120.604 Y1.4@145.795,120.604 ; v1(144.668,98.048) C436.1@144.668,98.712 ; C17.1@144.717,120.704 v1(144.717,121.367) ; C436.1@144.804,99.448 v1(144.804,100.111) ; C437.1@155.771,106.147 156.513,106.889 v1(156.513,107.165) ; C437.1@155.8,105.776 156.427,105.148 v1(156.613,105.148) ; C444.1@158.511,116.196 v1(158.511,116.859) ; C444.1@159.011,116.096 v1(159.674,116.096)
  other v1: 152.764,21.245 153.25,21.25 153.736,21.255 152.543,21.734 153.029,21.739 153.514,21.745 154,21.75
3V3IO: C3.1 C4.1 C32.1 C56.2 D1.1 D2.1 D3.1 D4.1 D13.1 J12.1 R45.2 R46.2 R73.2 R74.2 R77.2 R78.2 R79.2 R81.2 R82.2 R88.2 R89.2 R121.2 TP7.1 U1.1 U2.20 U4.14 | length 35.7
  Top Layer w0.22: U2.20@164.5,37.15 165.783,37.15 C32.1@165.866,37.234
  Top Layer w0.35: v1(152.911,44.232) 152.911,43.625 R46.2@152.956,43.579 ; U4.14@161.95,67.175 161.95,66.4 C56.2@162.6,65.75 162.6,61.995 162.907,61.688 162.907,61.637 ; C32.1@165.85,37.25 165.866,37.234 165.95,37.15 165.95,36.858 166.111,36.696 166.111,36.332 166.123,36.32 166.123,36.285 v1(166.133,36.275)
  Top Layer w0.381: R74.2@152.089,43.579 R46.2@152.861,43.58 ; R82.2@152.092,35.528 152.092,34.908 v1(152.336,34.664) R89.2@152.336,33.867 ; v1(162.551,129.202) R77.2@163.189,129.202 ; R78.2@164.75,129.15 v1(164.75,129.788) ; R79.2@166.25,129.15 v1(166.25,129.788)
  Top Layer w0.457: v1(161.26,124.25) J12.1@161.899,124.25 ; v1(162.217,123.197) J12.1@162.217,123.836 ; J12.1@162.5,124.25 v1(163.139,124.25) ; v1(165.925,75.094) 165.925,75.8 ; v1(165.925,80.174) D1.1@165.925,81.28 D2.1@165.925,83.82 D3.1@165.925,86.36 D4.1@165.925,88.9
  Bottom Layer w0.35: R73.2@156.3,82.404 156.3,80.484 156.9,79.884 156.9,78.494 157.894,77.5 v1(159,77.5) ; R81.2@156.3,88.35 v1(156.3,89.3) R88.2@156.3,90.25
  Bottom Layer w1.016: C4.1@164.25,60.3 165.78,60.3 TP7.1@166.25,60.77
5V0R: D12.1 K1.1 K2.1 K3.1 K4.1 K5.1 K6.1 K7.1 K8.1 K9.1 K10.1 K11.1 K12.1 K13.1 K14.1 K15.1 K16.1 K17.1 K18.1 K19.1 K20.1 K21.1 K22.1 K23.1 K24.1 K25.1 K26.1 K27.1 K28.1 K29.1 K30.1 K31.1 K32.1 K33.1 K34.1 K35.1 K36.1 K37.1 K38.1 K39.1 K40.1 K41.1 K42.1 K43.1 K44.1 K45.1 K46.1 K47.1 K48.1 K49.1 K50.1 K51.1 K52.1 K53.1 K54.1 K55.1 K56.1 K57.1 K58.1 K59.1 K60.1 K61.1 K62.1 K63.1 K64.1 TP5.1 X4.A7 X4.A8 X4.A9 X4.B7 X4.B8 X4.B9 | length 791.4